# Altium PCB 控制板.PcbDoc (part 11 of 12) (continued)
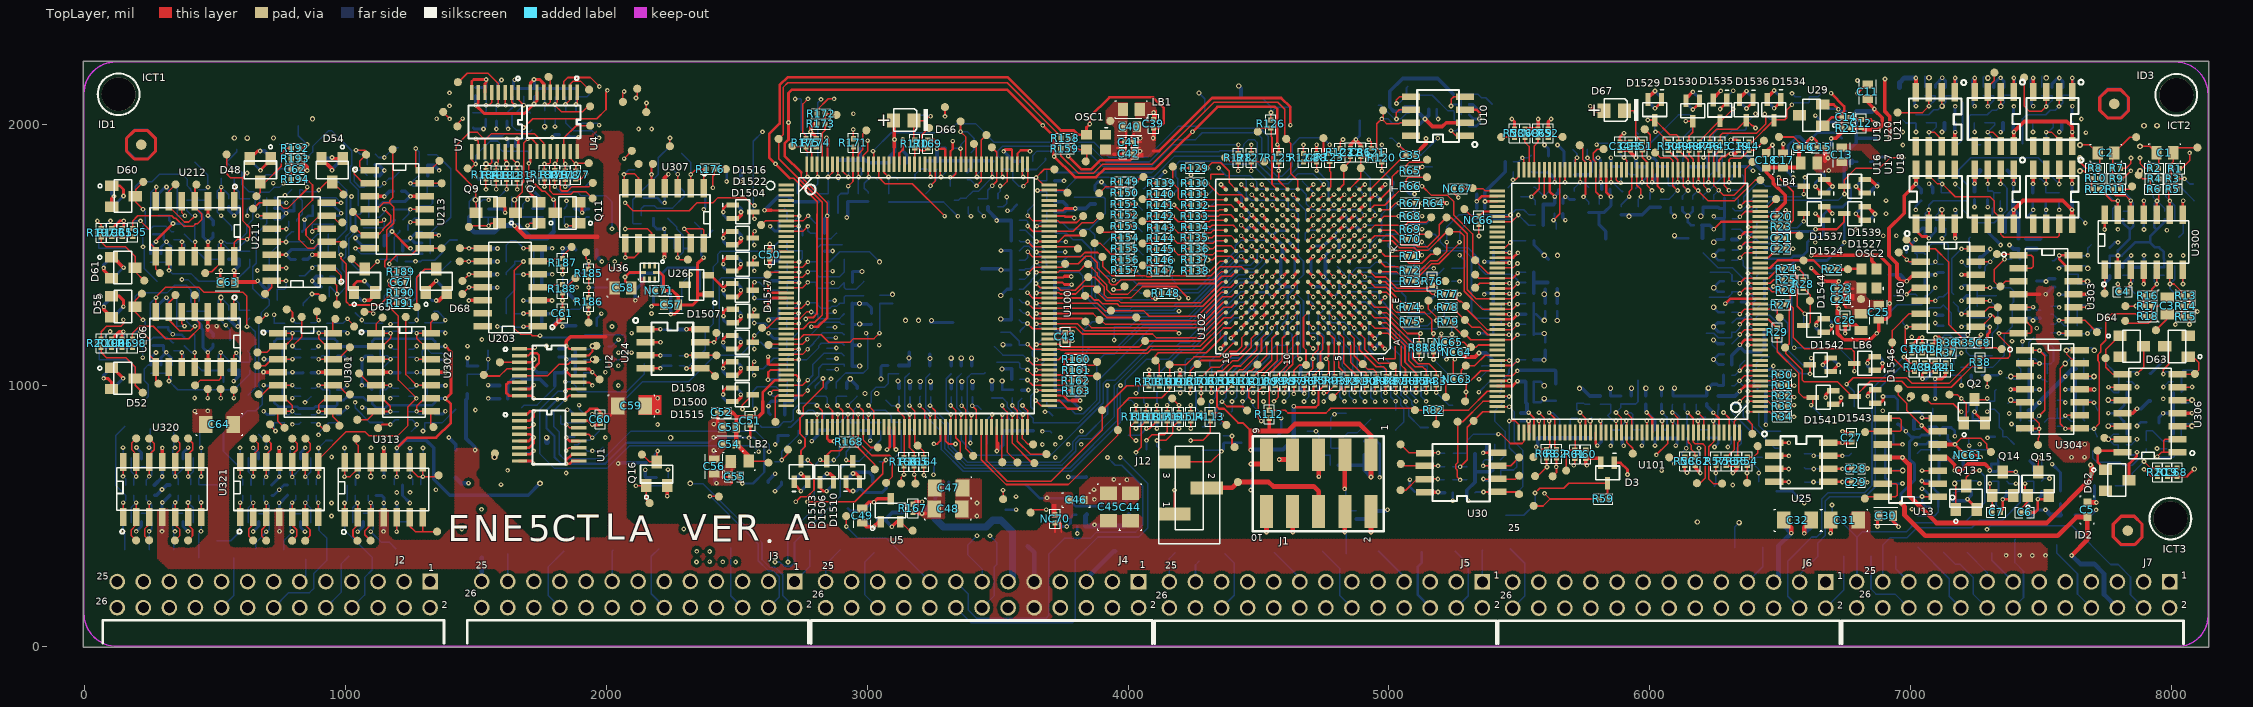
[diagram p0: TopLayer view]
## Nets (pads, with @x,y where several pads share a name; then routed paths per layer and width w, separated by ;. In a path a pad name is that pad's centre, name@x,y a point inside that pad or via, vN(x,y) a via of type N, cw(c..) or ccw(c..) an arc to the next point about the centre after c; other vN are vias at no path point) (continued)
  TopLayer w12: v1(1499.2,2074.6) 1499.5,2074.6 1531.1,2043 1686.2,2043 1734.03,2090.83 U4.7@1734.03,2124.6 ; C49.2@2981.1,528.8 3005.3,553 3025.8,553 3038.8,566 U5.3@3089.75,566 ; R167.1@3175.3,545 3184.7,554.4 v1(3210.5,554.4)
  TopLayer w16: C32.1@6514.4,483.8 6542.8,455.4 v1(6542.8,434)
  MidLayer2 w14: v1(1467.4,1150.9) 1496.9,1121.4 1496.9,1091.7 1514,1074.6 1593.2,1074.6 1666.5,1001.3 v1(1721.5,1001.3)
  MidLayer2 w18: v1(1521.1,525.5) 1528.6,518 2990.8,518 3027.2,554.4 3326.7,554.4 3419.8,461.3 3507.7,461.3 3689.9,279.1 3689.9,219.2 3709.5,199.6 6427.8,199.6 J6.5@6474.9,246.7
  MidLayer3 w14: v1(1721.1,749.6) 1745.3,773.8 1745.3,977.5 v1(1721.5,1001.3)
  MidLayer3 w18: v1(1521.1,525.5) 1521.1,623 1436.1,708 1436.1,1118 1467.8,1149.7 1467.8,1228.9 1537.8,1298.9 1537.8,1543 1648.6,1653.8 1695.3,1653.8 1725.3,1683.8 1725.3,1757.5 1757.8,1790 1757.8,1815.1 1735.7,1837.2 1735.7,1875.5 1722.4,1888.8 v1(1722.4,2079.2)
  BottomLayer w12: C408.1@1498.6,2111.3 1498.6,2075.2 v1(1499.2,2074.6) ; C378.1@1691.9,739.6 1711.1,739.6 v1(1721.1,749.6) ; v1(1722.4,2079.2) 1724,2080.8 C403.1@1724,2108 ; TP16.1@2926.1,528.4 2935.7,518.8 C331.1@2995.7,518.8 2995.7,533.8 3014.4,552.5 v1(3025.3,552.5) ; R542.2@3136.5,544.2 3200.3,544.2 v1(3210.5,554.4)
  BottomLayer w14: C379.1@1692.4,989.6 1709.8,989.6 v1(1721.5,1001.3)
  BottomLayer w18: J6.5@6474.9,246.7 6493.6,265.4 6493.6,384.8 v1(6542.8,434) 6515.3,461.5 C498.1@6515.3,485
VREB: pad.277@6971.1,2018.4 R255.1 R334.2 R338.2 R342.1 TP21.1 U306.1 U306.2 | length 2995.2
  TopLayer w6: v1(7946.1,727.5) 7946.1,727.6 7962.7,744.2 U306.1@8024,744.2 ; 7970.7,744.6 7970.7,788.8 7976.03,794.13 U306.2@8024,794.13
  MidLayer2 w6: v1(7021.1,1972.1) 7040.7,1991.7 7226.5,1991.7 7274.4,1943.8 7441.6,1943.8 v1(7469.9,1972.1) ; v1(7378.6,893) 7440.2,954.6 7500.7,954.6 7571.1,884.2 7571.1,881.7 7596.1,856.7 7639.8,856.7 7659,875.9 7883.1,875.9 7925.3,833.7 7925.3,748.3 v1(7946.1,727.5)
  MidLayer3 w6: v1(7378.6,893) 7368.6,883 7278.6,883 7270.3,891.3 7270.3,902.2 7335.3,967.2 7335.3,1030.1 7325.3,1040.1 7325.3,1057.1 7333.6,1065.4 7333.6,1163 7419.9,1249.3 7419.9,1827.9 7405.3,1842.5 7405.3,1907.5 v1(7469.9,1972.1)
  BottomLayer w6: pad.277@6971.1,2018.4 6982.8,2006.7 R342.1@7020.7,2006.7 7021.1,2006.3 v1(7021.1,1972.1) ; R338.2@7244.9,2006.8 7244.9,1973.3 v1(7246.1,1972.1) ; R334.2@7469.4,2006.8 7469.4,1972.6 v1(7469.9,1972.1) ; v1(7946.1,727.5) 7948.1,725.5 8007,725.5 8015.7,734.2 TP21.1@8050.3,734.2
VREF: C57.2 C363.2 NC2.2 NC71.1 R257.2 R297.2 R590.2 TP44.1 U26.1 U36.7 | length 7640.5
  TopLayer w10: U36.7@2189.6,1433.4 2205.4,1433.4 2219,1419.8 NC71.1@2219,1364.2
  TopLayer w12: NC71.1@2219,1364.2 2253.2,1364.2 2275.3,1342.1 2275.3,1287.8 2261.3,1273.8 v1(2246.9,1273.8) ; C57.2@2275.3,1309.2 2332.1,1309.2 2349,1326.1 2349,1466.5 v1(2373,1490.5)
  TopLayer w16: 2350.7,1349.2 U26.1@2390.1,1349.2
  MidLayer2 w14: v3(2246.5,800) 2268.5,778 2571.2,778 2599.5,806.3 2672.7,806.3 2715.2,763.8 3026.9,763.8 3060.2,797.1 3180.3,797.1 3226.1,751.3 3439.4,751.3 3463.2,727.5 3552,727.5 3659.9,619.6 3659.9,506.3 3670.7,495.5 3692.3,495.5 3750.7,437.1 3772.7,437.1 3794.8,459.2 3842.4,459.2 3855.7,445.9 3890.7,445.9 3908.6,463.8 4967.7,463.8 5001,430.5 5778.6,430.5 5988.6,640.5 6076.1,640.5 6141.9,706.3 6336.1,706.3 6432.8,803 6748.1,803 6753.1,798 7095.1,798 7126.3,829.2 7265.3,829.2 v1(7294.9,799.6) 7706.1,799.6 7726.5,820 7843.6,820 v1(7868.2,844.6)
  MidLayer3 w18: v3(2246.5,800) v1@2246.5,1273.4
  BottomLayer w10: NC2.2@2214,1430 2235.7,1451.7 2342,1451.7 2357.4,1436.3 TP44.1@2357.4,1370 ; R590.2@2364,1525 2364,1499.5 v1(2373,1490.5) ; v1(7294.9,799.6) 7299.5,804.2 R297.2@7322,804.2 ; v1(7868.2,844.6) 7882.3,858.7 R257.2@7902.8,858.7
  BottomLayer w14: NC2.2@2214,1430 2214,1378.4 2246.9,1345.5 v1(2246.9,1273.8)
VREF+: C46.2 C217.2 C218.2 C322.2 C350.1 C351.2 NC12.1 NC60.1 NC70.2 TP11.1 U11.7 U100.38 U101.38 | length 5773.7
  TopLayer w8: U100.38@2689,1040.45 2727.55,1040.45 2737.6,1030.4 v1(2737.6,1020.7) ; NC70.2@3720.3,505 3726.1,499.2 3751.5,499.2 ; v1(6245.7,1599.2) 6274.45,1627.95 U101.38@6424,1627.95
  MidLayer2 w14: v1(2741.1,785) 2785.3,829.2 3379.9,829.2 3414.1,795 3525.3,795 3689.4,630.9 v1(3689.4,569.2) 3735.7,569.2 3809.4,495.5 3879,495.5 3884.9,489.6 4991.5,489.6 5020.2,460.9 5762,460.9 5969.5,668.4 6040.7,668.4 v1(6046.1,673.8)
  MidLayer3 w14: v1(6046.1,673.8) 6046.1,815.9 6022.8,839.2 6022.8,1376.3 v1(6245.7,1599.2)
  MidLayer3 w18: v1(2737.6,1020.7) 2737.6,944 2768.8,912.8 2768.8,812.7 v1(2741.1,785)
  BottomLayer w10: TP11.1@3609,618.8 3610.9,618.8 3662.2,567.5 3770.2,567.5 3800.8,536.9 3890.1,536.9 3892.3,539.1 U11.7@3901.4,539.1
  BottomLayer w14: C350.1@2684,888.4 2684,937.9 2710.6,937.9 2737.6,964.9 v1(2737.6,1020.7) ; C217.2@6202.8,1564.6 6202.8,1612.4 C218.2@6200.6,1614.6 6230.3,1614.6 v1(6245.7,1599.2)
VREFA: C386.1 C464.2 C468.2 C471.2 C472.1 C489.2 C490.1 C491.1 C494.1 J3.10 R600.2 R614.1 R747.2 R748.1 R750.1 R762.1 R769.2 R772.2 R780.2 R781.1 TP294.1 U307.13 U307.14 | length 6869.5
  TopLayer w6: v1(1681.9,1475.9) 1646.1,1440.1 1646.1,1220.9 1670.7,1196.3 1711.1,1196.3 1716.1,1191.3 v1(1745.7,1191.3) ; U307.13@2322.87,1545.9 2322.87,1576.63 v1(2298.6,1600.9) 2368.2,1600.9 2372.8,1596.3 U307.14@2372.8,1545.9
  TopLayer w10: v1(273.2,1551.7) 273.2,1555.9 v1(338.2,1620.9) ; v1(1177.8,1590.5) 1179,1590.5 1243.6,1525.9 v1(1248.6,1525.9)
  MidLayer2 w6: v1(273.2,1126.7) 273.2,1132.5 v1(337.4,1196.7) ; v1(338.2,1620.9) 418.3,1620.9 465.4,1668 481.5,1668 519.9,1629.6 701.5,1629.6 v1(772.8,1700.9) 839.1,1634.6 904.9,1634.6 940.7,1598.8 1031.5,1598.8 1105.3,1525 1247.7,1525 1247.7,1470.2 1259.9,1458 1276.6,1458 1313.2,1494.6 1663.2,1494.6 v1(1681.9,1475.9) 1749.8,1543.8 1968.2,1543.8 1998.2,1573.8 2271.5,1573.8 v1(2298.6,1600.9)
  MidLayer3 w6: v1(1745.7,1191.3) 1736.9,1182.5 1715.6,1182.5 1683.6,1150.5 1683.6,714.7 1641.9,673 1641.9,462.9 1564.9,385.9 1564.9,134.1 1597.7,101.3 2265.3,101.3 2313.6,149.6 J3.10@2326.1,149.6
  MidLayer3 w10: v1(273.2,1551.7) 273.2,1459.7 340.7,1392.2 340.7,1200 v1(337.4,1196.7)
  BottomLayer w6: TP294.1@229,943 242.8,956.8 242.8,1004.6 227.8,1019.6 227.8,1063.8 242.7,1078.7 R772.2@252.4,1078.7 ; R614.1@1616.5,1425.5 1616.5,1433 1648.2,1464.7 1648.2,1475.9 v1(1681.9,1475.9) ; v1(1745.7,1191.3) 1752.8,1184.2 1907.4,1184.2 1918.2,1195 2062.8,1195 2073.2,1184.6 2073.2,1120.1 2052.3,1099.2 R600.2@2008.6,1099.2
  BottomLayer w10: C494.1@251.9,1504.6 251.9,1530.4 v1(273.2,1551.7) ; R772.2@252.4,1078.7 252.4,1105.9 v1(273.2,1126.7) ; R781.1@282.8,1223.4 320.4,1223.4 320.4,1213.7 339.1,1195 371.1,1195 R769.2@381.5,1184.6 ; C490.1@283.6,1650.5 323.6,1650.5 323.6,1635.5 338.6,1620.5 372.8,1620.5 C491.1@382.4,1610.9 ; R762.1@728.6,1720.5 748.2,1700.9 v1(772.8,1700.9) ; R750.1@833.2,1590 842.4,1599.2 v1(842.4,1635.9) 856.9,1650.4 R747.2@873.6,1650.4 R748.1@873.6,1689.2 ; v1(1248.6,1525.9) 1269,1505.5 C464.2@1293.2,1505.5
  BottomLayer w12: C471.2@1148.2,1535.8 C472.1@1148.2,1574.6 1161.9,1574.6 1178.6,1591.3 1178.6,1625.4 C468.2@1188.2,1635
VREFC: C156.2 C166.2 pad.287@7524.4,1838 R324.1 R330.2 TP153.1 U16.2 U17.2 U18.2 | length 1375.6
  TopLayer w6: v1(7069.9,1673.4) 7070.9,1672.4 U16.2@7070.9,1620.5 ; v1(7345.3,1773.4) 7345.5,1773.6 U17.2@7345.5,1827.1 ; U18.2@7569.6,1827.1 7569.6,1773.7 v1(7570.3,1773)
  BottomLayer w6: R330.2@7016.1,1619.6 7030.7,1634.2 C156.2@7056.1,1634.2 7056.1,1659.6 v1(7069.9,1673.4) 7069.9,1690.9 7087.4,1708.4 7214.5,1708.4 7219.4,1713.3 7219.4,1768 7185.3,1802.1 7185.3,1827.1 7231.2,1873 7489.4,1873 pad.287@7524.4,1838 7524.4,1818.9 v1(7570.3,1773) ; R324.1@7195.7,1708.4 7195.7,1678.8 7250.3,1624.2 7321.5,1624.2 7369.9,1672.6 7369.9,1757.1 7353.6,1773.4 v1(7345.3,1773.4)
VREFD: C186.2 C187.1 NC36.2 NC48.2 Q6B.3 R359.2 R633.1 TP20.1 U9.7 U27.3 | length 8340.6
  MidLayer2 w14: v1(1623.2,1984.2) 1591.5,1952.5 1591.5,1931.7 1625.2,1898 1888.6,1898 1922.8,1932.2 1922.8,1983.8 1958.6,2019.6 2614.2,2019.6 2623.8,2029.2 2883.2,2029.2 2978.2,2124.2 4133.7,2124.2 4164.9,2093 4642.3,2093 4679.4,2055.9 5208.6,2055.9 5224.5,2040 5267.3,2040 5285.3,2058 5376.5,2058 5410.2,2091.7 6484.5,2091.7 6545.3,2030.9 6631.2,2030.9 v1(6635.1,2034.8)
  MidLayer3 w10: v1(6635.1,2034.8) 6708.8,2034.8 6841.5,1902.1 6841.5,1745.9 6884.4,1703 6884.4,1640.9 6920.3,1605 6920.3,1558.3 6948.6,1530 6948.6,1381.3 6896.1,1328.8 6896.1,1151.3 7017.4,1030 7017.4,832.5 7049.4,800.5 7049.4,750.8 7016.1,717.5 7016.1,632.5 v1(7044.2,604.4)
  BottomLayer w10: R359.2@6440.6,1485.7 6540.1,1485.7 6551.1,1496.7 6585.7,1496.7 6604.4,1515.4 6604.4,1550 6623.2,1568.8 6657.8,1568.8 6666.5,1577.5 6666.5,1655 6696.1,1684.6 6740.2,1684.6 6771.1,1715.5 6771.1,1755.1 6762.05,1764.15 Q6B.3@6745.9,1764.15 ; v1(6635.1,2034.8) 6659.1,2010.8 U27.3@6682.8,2010.8 ; 6753.6,1858.4 6783.4,1858.4 ; U9.7@6796.4,1858.4 6783.4,1858.4 ; v1(7044.2,604.4) 7047.6,604.4 7074.1,577.9 NC48.2@7074.1,572.1 ; 6783.4,1858.4 6775.5,1866.3 6746.9,1866.3 6746.9,1850.3 6775.3,1850.3 6783.4,1858.4
  BottomLayer w12: R633.1@1618.6,2014.2 1618.6,1988.8 v1(1623.2,1984.2) ; U27.3@6682.8,2010.8 6722.1,2010.8 6731,2019.7 NC36.2@6791.9,2019.7
  BottomLayer w14: Q6B.3@6745.9,1764.15 6745.9,1837.3 6754.2,1845.6 6754.2,1892.9 6791.9,1930.6 NC36.2@6791.9,2019.7 ; C186.2@6791.9,1947.5 6864.4,1947.5 TP20.1@6865.7,1948.8
VREFE: C14.2 C188.2 D1527.3 NC44.1 R21.1 R360.2 R634.1 TP19.1 U3.7 U29.1 | length 8089.1
  TopLayer w8: v1(6635.5,1599.2) 6716.9,1599.2 6745.4,1627.7 D1527.3@6745.4,1659.25
  TopLayer w10: U29.1@6663.6,1996.7 6666.5,1996.7 6697.8,2028 C14.2@6737.2,2028 ; v1(6695.7,2120.7) 6745.7,2070.7 6745.7,2050.7 6737.6,2042.6 R21.1@6737.6,1987.1
  TopLayer w14: v1(6695.7,1947.5) 6713.6,1947.5 6737.6,1971.5 R21.1@6737.6,1987.1
  MidLayer3 w10: v1(6635.5,1599.2) 6635.5,1625.6 6666.5,1656.6 6666.5,1813.8 6654.9,1825.4 6654.9,1906.7 v1(6695.7,1947.5)
  MidLayer3 w14: v1(1578.2,1983.4) 1532.8,2028.8 1490.3,2028.8 1475.3,2043.8 1475.3,2112.6 1507.3,2144.6 1902.4,2144.6 1932.4,2174.6 2138.6,2174.6 2156.5,2156.7 4340.7,2156.7 4371.1,2126.3 5785.3,2126.3 5813.2,2098.4 6673.4,2098.4 v1(6695.7,2120.7) ; v1(6635.5,1599.2) 6730.2,1599.2 6759,1628 6796,1628 6819.9,1604.1 6819.9,1138.8 6864.4,1094.3 6864.4,1076.3 6947.4,993.3 6947.4,830.4 7003.4,774.4 v1(7019.6,774.4)
  BottomLayer w10: R360.2@6440.2,1565.5 6460.7,1565.5 6485.7,1590.5 6626.8,1590.5 v1(6635.5,1599.2) ; U3.7@6530.5,1888.3 6530.5,1919.4 6560.3,1949.2 TP19.1@6560.3,1953.8 ; v1(7019.6,774.4) 7058.8,774.4 7070.7,786.3 7101.9,786.3 7109.4,778.8 NC44.1@7109.4,753.8
  BottomLayer w12: v1(1578.2,1983.4) R634.1@1578.2,2014.6
  BottomLayer w14: TP19.1@6560.3,1953.8 6575.7,1953.8 6624.2,1905.3 6679.9,1905.3 6695.7,1921.1 v1(6695.7,1947.5)
Y7-Y0._0: C395.1 pad.18@1562.8,1907.5 R183.1 U7.13 | length 168.4
  TopLayer w6: R183.1@1577.4,1822.5 v1@1577.4,1848.8 ; v1(1578.2,1849.6) v1@1577.4,1848.8 ; U7.13@1585.91,1896.3 1585.91,1857.31 v1@1577.4,1848.8
  BottomLayer w6: pad.18@1562.8,1907.5 1562.8,1865 1577.8,1850 C395.1@1577.8,1823.8
pads on no net: D62.2 D63.2 D64.2 ICT1.1 ICT2.1 ICT3.1 ID1.1 ID2.1 ID3.1 ID4.1 ID5.1 ID6.1 NC59.3 NC60.3 OSC1.1 OSC2.1 U3.1 U3.2 U3.3 U3.5 U3.6 U9.1 U9.2 U9.3 U9.5 U9.6 U10.8 U11.1 U11.2 U11.3 U11.5 U11.6 U12.1 U12.2 U12.3 U12.5 U12.6 U16.5 U16.6 U17.5 U17.6 U18.5 U18.6 U19.5 U19.6 U20.5 U20.6 U21.5 U21.6 U26.3 U27.2 U27.4 U27.5 U29.3 U36.1 U36.2 U36.3 U36.5 U36.6 U100.1 U100.2 U100.3 U100.4 U100.5 U100.11 U100.12 U100.13 U100.30 U100.43 U100.44 U100.45 U100.46 U100.59 U100.60 U100.63 U100.67 U100.99 U100.122 U100.128 U100.129 U100.130 U100.141 U100.144 U100.153 U100.154 U100.156 U100.157 U100.160 U100.168 U101.2 U101.11 U101.12 U101.13 U101.30 U101.43 U101.44 U101.45 U101.46 U101.59 U101.60 U101.68 U101.78 U101.92 U101.96 U101.97 U101.98 U101.99 U101.120 U101.141 U101.142 U101.143 U101.150 U101.151 U101.156 U101.157 U101.160 U101.165 U101.170 U101.173 U102.N11 U203.13 U203.14
copper on no net: | length 2383.7
  TopLayer w6: 4316.5,1790.9 4316.5,1809.8 4366.3,1809.8 ; 4975.1,1101.9 5025.3,1101.9 5025.3,1150.7
  TopLayer w12: 160.3,1898.8 160.3,1947.5 190.3,1977.5 241.1,1977.5 270.7,1947.9 270.7,1897.1 242.4,1868.8 190.3,1868.8 160.3,1898.8 ; 7725.7,2055.5 7755.7,2025.5 7807.8,2025.5 7836.1,2053.8 7836.1,2104.6 7806.5,2134.2 7755.7,2134.2 7725.7,2104.2 7725.7,2055.5 ; 7777.4,420 7777.4,468.7 7807.4,498.7 7858.2,498.7 7887.8,469.1 7887.8,418.3 7859.5,390 7807.4,390 7777.4,420
  BottomLayer w10: 161.1,1900.4 161.1,1950.5 191.1,1980.5 239.9,1980.5 270.7,1949.7 270.7,1900 240.3,1869.6 191.9,1869.6 161.1,1900.4 ; 7724.4,2057.1 7755.2,2026.3 7803.6,2026.3 7834,2056.7 7834,2106.4 7803.2,2137.2 7754.4,2137.2 7724.4,2107.2 7724.4,2057.1 ; 7777.4,419.2 7808.2,388.4 7856.6,388.4 7887,418.8 7887,468.5 7856.2,499.3 7807.4,499.3 7777.4,469.3 7777.4,419.2

## Polygon pours and split planes (outlines as drawn)
GND on TopLayer "TopLayer-GND 5" (hatched 90Degree grid 6 track 6, remove dead copper, pour order 1014): 4019.4,649.2 3856.5,649.2 3814.4,607.1 3814.4,546.7 3899.9,546.7 4024,546.7 4048.2,570.9 4048.2,617.9 4031.5,634.6
V+ on TopLayer "TopLayer-V+ 1" (hatched 90Degree grid 6 track 6, remove dead copper, pour order 1013): 163 vertices, not listed, extent 279.9,102.1 7524.4,1975
GND on TopLayer "TopLayer-GND 4" (hatched 90Degree grid 6 track 6, remove dead copper, pour order 1012): 439.9,909.6 481.5,909.6 486.9,904.2 486.9,823 484.4,820.5 419.4,820.5 414.9,825 414.9,903.9 419.4,908.4
GND on TopLayer "TopLayer-GND 3" (hatched 90Degree grid 6 track 6, remove dead copper, pour order 1011): 2446.9,870.5 2401.9,870.5 2391.9,860.5 2391.9,703.5 2392.4,703 2431.1,703 2433.6,705.5 2433.6,735.4 2459.9,761.7 2459.9,856.6 2451.5,865
VDD on TopLayer "TopLayer-VDD 2" (hatched 90Degree grid 6 track 6, remove dead copper, pour order 1010): 2390.3,673.4 2390.3,631.2 2404.4,617.1 2475.7,617.1 2482.8,624.2 2482.8,672.5 2495.3,685 2495.3,722.9 2488.6,729.6 2471,729.6 2464.4,723 2464.4,704.1 2437.8,677.5 2394.9,677.5 2392.4,675
V- on TopLayer "TopLayer-V-" (hatched 90Degree grid 6 track 6, remove dead copper, pour order 1009): 3292.4,636.3 3239.5,636.3 3232.8,629.6 3232.8,545.9 3224,537.1 3220.7,533.8 3214,533.8 3207.8,527.6 3207.8,525.5 3207.8,500 3219,488.8 3294.9,488.8 3297.4,491.3 3297.4,632.1 3294.9,634.6
GND on TopLayer "TopLayer-GND 2" (hatched 90Degree grid 6 track 6, remove dead copper, pour order 1008): 3339,594.6 3339,492.5 3341.9,489.6 3390.7,489.6 3392.8,491.7 3434.4,491.7 3436.9,494.2 3436.9,637.6 3432.4,642.1 3345.7,642.1 3338.6,635
VREF+ on TopLayer "TopLayer-VREF+" (hatched 90Degree grid 6 track 6, remove dead copper, pour order 1007): 3676.9,579.2 3688.6,590.9 3727.4,590.9 3781.9,590.9 3787.8,585 3787.8,495.9 3782.4,490.5 3717.4,490.5 3709.9,498 3709.9,546.2 3701.9,554.2 3681.1,554.2 3676.9,558.4
GND on TopLayer "TopLayer-GND 1" (hatched 90Degree grid 6 track 6, remove dead copper, pour order 1006): 4014.9,1960.9 4011.5,1957.5 4011.5,1902.1 4011.5,1878 4012.8,1876.7 4085.7,1876.7 4104,1895 4104,1990.9 4100.3,1994.6 4062,1994.6 4045.7,2010.9 4021.1,2010.9 4016.1,2005.9 4016.1,1963.3 4012.8,1960
NetLB1_1 on TopLayer "TopLayer-NetLB1_1" (hatched 90Degree grid 6 track 6, remove dead copper, pour order 1005): 3940.7,1920.5 3896.6,1920.5 3896.1,1920 3896.1,1882.1 3896.9,1881.3 3993.1,1881.3 3994.4,1880 3994.4,1961.6 3997.4,1964.6 3997.4,2083.7 3996.1,2085 3946.1,2085 3916.1,2055 3916.1,2005.4 3921.9,1999.6 3938.7,1999.6 3949.9,1988.4 3949.9,1924.2 3945.7,1920
VDD on TopLayer "TopLayer-VDD 1" (hatched 90Degree grid 6 track 6, remove dead copper, pour order 1004): 4029.9,2084.6 4086.1,2084.6 4108.6,2062.1 4108.6,2013.4 4105.7,2010.5 4074.4,2010.5 4057.8,2027.1 4056.9,2028 4029.4,2028
NetLB6_2 on TopLayer "TopLayer-NetLB6_2" (hatched 90Degree grid 6 track 6, remove dead copper, pour order 1003): 6741.5,1386.3 6741.5,1308 6753.2,1296.3 6767.8,1296.3 6778.2,1285.9 6778.2,1269.7 6787.4,1260.5 6825.7,1260.5 6843.2,1278 6856.1,1290.9 6890.7,1290.9 6897.4,1297.6 6897.4,1324.6 6895.7,1326.3 6855.3,1326.3 6845.3,1326.3 6828.6,1343 6828.6,1385 6826.5,1387.1 6799.8,1387.1 6786.9,1400 6750.2,1400 6745.7,1395.5
VDD on TopLayer "TopLayer-VDD" (hatched 90Degree grid 6 track 6, remove dead copper, pour order 1002): 6695.5,1886.9 6638.8,1886.9 6630.1,1878.2 6630.1,1828.4 6639.9,1818.6 6746.9,1818.6 6759.6,1831.3 6759.6,1869.3 6755.9,1873 6709,1873 6696.3,1885.7
GND on TopLayer "TopLayer-GND" (hatched 90Degree grid 6 track 6, remove dead copper, pour order 1001): 6718.6,1925.7 6843.1,1925.7 6881.7,1887.1 6881.7,1869.1 6879.9,1867.3 6847.2,1867.3 6812.4,1902.1 6758.6,1902.1 6755.7,1899.2 6718.4,1899.2 6718,1899.6
V+ on TopLayer "TopLayer-V+" (hatched 90Degree grid 6 track 6, remove dead copper, pour order 1000): 7530.7,882.5 7530.7,765 7570.7,725 7589.4,706.3 7668.2,706.3 7685.7,723.8 7685.7,753.8 7685.7,777.5 7678.2,785 7587.4,785 7554,818.4 7554,1066.2 7569.9,1082.1 7569.9,1168.3 7549.4,1188.8 7549.4,1375.9 7545.7,1379.6 7489.9,1379.6 7482.8,1372.5 7482.8,1169.6 7521.1,1131.3 7533.2,1119.2 7533.2,1109.2
GND on MidLayer1 "MidLayer1-GND" (hatched 90Degree grid 4 track 4, remove dead copper, pour order 1015): 310.3,2224.6 114.4,2224.6 ccw(c114.4,2133.8) 23.6,2133.8 23.6,1883 41.9,1883 41.9,1563 26.1,1563 21.1,1563 21.1,1423 21.1,686.3 40.3,686.3 40.3,366.3 21.1,366.3 21.1,107.9 ccw(c104.4,107.9) 104.4,24.6 646.1,24.6 8026.9,24.6 ccw(c8026.9,117.1) 8119.4,117.1 8119.4,362.1 8101.1,362.1 8101.1,680.9 8121.1,680.9 8121.1,1557.1 8107.8,1557.1 8107.8,1851.3 8120.3,1851.3 8120.3,2119.6 ccw(c8020.3,2119.6) 8020.3,2219.6 7616.1,2219.6 7616.1,2199.6 7446.9,2199.6 7409.4,2199.6 7409.4,2218 5982.8,2218 5982.8,2200.5 5662.8,2200.5 5662.8,2218 4235.3,2218 4235.3,2199.6 3914.4,2199.6 3914.4,2220.5 2485.3,2220.5 2485.3,2205.5 2485.3,2201.3 2287.8,2201.3 2166.9,2201.3 2166.9,2221.3 731.9,2221.3 731.9,2200.5 416.9,2200.5 416.9,2223.8
V+ on MidLayer2 "MidLayer2-V+" (hatched 90Degree grid 6 track 6, remove dead copper, pour order 1017): 7497.8,524.6 7361.1,387.9 7361.1,339.6 7370.2,330.5 7531.1,330.5 7549.4,348.8 7549.4,358.8 7643.6,453 7643.6,573 7643.6,687.1 7675.3,718.8 7680.3,723.8 7680.3,731.3 7680.3,737.9 7676.1,742.1 7602.8,742.1 7587.8,727.1 7587.8,638 7549.4,599.6
V- on MidLayer2 "MidLayer2-V-" (hatched 90Degree grid 6 track 6, remove dead copper, pour order 1016): 7665.3,687.1 7665.3,299.6 7632.8,267.1 7632.8,101.3 7445.3,101.3 3609.4,101.3 3569.4,141.3 3569.4,267.2 3516.1,320.5 3443.6,393 3337.8,393 3213.6,393 3116.1,490.5 2143.7,490.5 2082.8,429.6 1864.5,429.6 1828.6,465.5 1445.3,465.5 1441.1,461.3 1441.1,340.5 1466.1,315.5 2271.2,315.5 2320.3,364.6 2325.3,369.6 2549.4,369.6 2893.6,369.6 2954,309.2 2969.4,293.8 2969.4,271.3 2969.4,118.9 2992.8,95.5 2997,91.3 3211.1,91.3 3574.4,91.3 3586.9,78.8 3593.6,72.1 3686.9,72.1 7823.5,72.1 7854.4,103 7854.4,613.8 7763.6,704.6 7684.4,704.6 7676.9,697.1
V+ on MidLayer3 "MidLayer3-V+" (hatched 90Degree grid 6 track 6, remove dead copper, pour order 1019): 504,1269.6 472.7,1269.6 464,1260.9 464,1215.9 483.2,1196.7 517.4,1196.7 524.9,1204.2 524.9,1250 510.7,1264.2
V- on MidLayer3 "MidLayer3-V-" (hatched 90Degree grid 6 track 6, remove dead copper, pour order 1018): 7719.4,753 7719.4,747.9 7637.8,666.3 7637.8,622.1 7642.8,617.1 7701.9,617.1 7797.8,713 7797.8,1017.9 7783.6,1032.1 7695.2,1032.1 7679.4,1016.3 7679.4,893.8 7698.6,874.6 7716.1,857.1 7716.1,808
GND on MidLayer4 "MidLayer4-GND 2" (hatched 90Degree grid 6 track 6, remove dead copper, pour order 1023): 413.2,2205.5 279,2205.5 249,2175.5 249,2015.9 301.1,1963.8 2490.3,1963.8 2584,2057.5 2584,2150.5 2530.7,2203.8 2481.5,2203.8 2481.5,2198 2160.3,2198 2160.3,2205 734.4,2205 734.4,2196.3 411.9,2196.3 411.9,2203
GND on MidLayer4 "MidLayer4-GND 1" (hatched 90Degree grid 6 track 6, remove dead copper, pour order 1022): 1261.9,918.8 67.4,918.8 45.7,897.1 45.7,126.3 ccw(c145.7,126.3) 145.7,26.3 150.3,26.3 3729.4,26.3 3771.9,68.8 3771.9,259.6 3711.9,319.6 3685.3,346.2 3685.3,396.3 3685.3,539.6 3635.3,589.6 2352.8,589.6 2023.6,918.8
GND on MidLayer4 "MidLayer4-GND" (hatched 90Degree grid 6 track 6, remove dead copper, pour order 1021): 4361.5,1010.5 4052,1010.5 3986.5,945 3986.5,52.2 4000.7,38 7990.3,38 8095.3,143 8095.3,2083.8 8049.4,2083.8 7937.03,2083.8 7937.03,2122.71 7918.89,2122.71 7895.3,2146.3 7715.2,2146.3 ccw(c7715.2,2135.5) 7704.4,2135.5 7704.4,1917.1 7666.9,1879.6 7654.4,1867.1 7536.1,1867.1 7428.6,1867.1 7367.8,1806.3 7367.8,941.4 7209.4,783 7064.4,638 6761.1,638 5591.1,638 5401.1,448 5365.6,412.5 5288.6,412.5 4923.3,412.5 4850.3,485.5 4850.3,947.9 4811.9,986.3 4799.4,986.3 4776.1,1009.6
VDD on MidLayer4 "MidLayer4-VDD" (hatched 90Degree grid 4 track 4, remove dead copper, pour order 1020): 296.1,1836.3 25.3,1836.3 25.3,1221.3 25.3,961.2 34.4,952.1 2064.5,952.1 2270.3,746.3 2403.6,613 3041.9,613 3688.6,613 3727.8,573.8 3727.8,335.4 3791.9,271.3 3791.9,131.4 3815.3,108 3909.5,108 3915.3,113.8 3915.3,165.5 3933.6,183.8 3933.6,486.3 3933.6,917.1 4017.8,1001.3 4041.1,1024.6 4096.9,1024.6 4791.2,1024.6 4812.8,1003 4836.9,1003 4879.4,960.5 4891.9,948 4891.9,848 4891.9,466.7 4911.9,446.7 4930.6,428 4968.6,428 5359.5,428 5546.1,614.6 5594.5,663 5625.3,663 7052,663 7136.1,747.1 7342.8,953.8 7342.8,1335.5 7342.8,1818.9 7381.9,1858 7401,1877.1 7487.8,1877.1 7631,1877.1 7681.9,1928 7681.9,2140.9 7645.7,2177.1 7635.3,2187.5 7491.9,2187.5 6986.6,2187.5 6962.8,2211.3 4232.8,2211.3 4232.8,2195.5 3911.1,2195.5 3911.1,2212.1 2660.2,2212.1 2633.6,2185.5 2633.6,2052.2 2516.9,1935.5 396.1,1935.5 353.6,1893
GND on BottomLayer "BottomLayer-GND 8" (hatched 90Degree grid 6 track 6, remove dead copper, pour order 1039): 2199.4,1333 2168.6,1333 2138.6,1303 2127.7,1292.1 2089.4,1292.1 2082.4,1285.1 2082.4,1260 2082.4,1236.7 2085.3,1233.8 2152.4,1233.8 2175.3,1210.9 2180.3,1205.9 2210.7,1205.9 2209,1207.6 2209,1319.6
VDD on BottomLayer "BottomLayer-VDD 3" (hatched 90Degree grid 6 track 6, remove dead copper, pour order 1038): 3178.2,1162.1 3249.9,1162.1 3254,1158 3254,1106.6 3249.9,1102.5 3139.1,1102.5 3133.6,1108 3133.6,1155 3140.7,1162.1
GND on BottomLayer "BottomLayer-GND 7" (hatched 90Degree grid 6 track 6, remove dead copper, pour order 1037): 3252.4,1261.7 3134.4,1261.7 3131.1,1258.4 3131.1,1193 3136.1,1188 3262.9,1188 3264.9,1190 3264.9,1257.9 3261.5,1261.3
GND on BottomLayer "BottomLayer-GND 6" (hatched 90Degree grid 6 track 6, remove dead copper, pour order 1036): 3369.4,561.3 3425.7,561.3 3429.9,557.1 3429.9,490.1 3426.5,486.7 3343.6,486.7 3339.4,490.9 3339.4,556.2 3344.9,561.7
V+ on BottomLayer "BottomLayer-V+ 1" (hatched 90Degree grid 6 track 6, remove dead copper, pour order 1035): 3945.7,519 3974.5,519 3975.5,520 4024.5,520 4027.4,517.1 4027.4,486.2 4026.5,485.3 3945.5,485.3 3944.9,485.9 3944.9,512 3945.4,512.5
GND on BottomLayer "BottomLayer-GND 5" (hatched 90Degree grid 6 track 6, remove dead copper, pour order 1034): 3971.9,583.8 3971.9,564.6 3984.4,552.1 4024.8,552.1 4029.4,556.7 4029.4,622.2 4003.2,648.4 3944.1,648.4 3940.7,645 3940.7,618 3958.2,600.5
VDD on BottomLayer "BottomLayer-VDD 2" (hatched 90Degree grid 6 track 6, remove dead copper, pour order 1033): 6408.6,1846.7 6510.3,1846.7 6511.1,1845.9 6511.1,1826.7 6500.3,1815.9 6486.5,1802.1 6414.4,1802.1 6412.8,1803.7 6412.8,1837.5
VDD on BottomLayer "BottomLayer-VDD 1" (hatched 90Degree grid 6 track 6, remove dead copper, pour order 1032): 6838.6,1841.3 6932.3,1841.3 6936.5,1837.1 6936.5,1744.7 6937.4,1743.8 6904.5,1743.8 6897.8,1737.1 6870.7,1737.1 6861.1,1746.7 6861.1,1814.3 6859.9,1815.5 6839.5,1815.5 6839,1815
GND on BottomLayer "BottomLayer-GND 4" (hatched 90Degree grid 6 track 6, remove dead copper, pour order 1031): 6962.8,1725.5 6910.3,1725.5 6905.3,1720.5 6904,1719.2 6904,1664.6 6904,1651.3 6908.6,1646.7 6983.1,1646.7 6986.9,1650.5 6986.9,1723.5 6984.9,1725.5
GND on BottomLayer "BottomLayer-GND 3" (hatched 90Degree grid 6 track 6, remove dead copper, pour order 1030): 7000.3,1980 6968.5,1980 6964.4,1975.9 6964.4,1900.9 6969,1896.3 7050.2,1896.3 7051.9,1898 7051.9,1976.8 7049.9,1978.8
GND on BottomLayer "BottomLayer-GND 2" (hatched 90Degree grid 6 track 6, remove dead copper, pour order 1029): 6807.8,2180.9 6871.9,2180.9 6876.9,2175.9 6876.9,2115 6872.8,2110.9 6793.2,2110.9 6788.2,2115.9 6788.2,2176.8 6791.9,2180.5
GND on BottomLayer "BottomLayer-GND 1" (hatched 90Degree grid 6 track 6, remove dead copper, pour order 1028): 6882.8,1570.9 6882.8,1511.7 6887.4,1507.1 6947.4,1507.1 6952.4,1512.1 6952.4,1583.4 6949.9,1585.9 6888.2,1585.9 6884,1581.7
V1 on BottomLayer "BottomLayer-V1" (hatched 90Degree grid 6 track 6, remove dead copper, pour order 1027): 7441.5,1611.3 7512.4,1611.3 7530.7,1593 7530.7,1494.6 7561.9,1463.4 7562.3,1463.8 7570.3,1463.8 7578.2,1455.9 7578.2,1441.7 7572.4,1435.9 7551.1,1435.9 7480.6,1435.9 7471.5,1445 7471.5,1471.7 7486.9,1487.1 7489,1489.2 7489,1505.9 7476.5,1518.4 7465.3,1518.4 7472.4,1518.4 7472.4,1567.5 7472.4,1598.8 7440.3,1598.8
V+ on BottomLayer "BottomLayer-V+" (hatched 90Degree grid 6 track 6, remove dead copper, pour order 1026): 7366.1,731.3 7408.2,731.3 7453.6,776.7 7473.6,796.7 7526.1,796.7 7662,796.7 7672.8,785.9 7672.8,718 7668.2,713.4 7668.2,596.8 7661.9,590.5 7598.2,590.5 7595.7,593 7595.7,607.9 7607.8,620 7607.8,708.4 7582.8,733.4 7564.5,751.7 7526.5,751.7 7495.7,751.7 7482.8,738.8 7478.2,734.2 7478.2,706.3 7470.7,698.8 7389.9,698.8 7340.3,698.8 7335.7,694.2 7331.5,690 7331.5,668.4 7301.5,668.4 7296.5,673.4 7296.5,700.4 7327.8,731.7
GND on BottomLayer "BottomLayer-GND" (hatched 90Degree grid 6 track 6, remove dead copper, pour order 1025): 5606.3,1503 5652.1,1503 5657.1,1498 5657.1,1429.7 5654.9,1427.5 5590.1,1427.5 5583.8,1433.8 5583.8,1497.8 5589.4,1503.4
VDD on BottomLayer "BottomLayer-VDD" (hatched 90Degree grid 6 track 6, remove dead copper, pour order 1024): 5595.3,1407.5 5659.5,1407.5 5663.2,1403.8 5663.2,1353.2 5658.2,1348.2 5589.8,1348.2 5589.6,1348.4 5589.6,1403.3 5591.3,1405
no net on BottomOverlay (hatched 90Degree grid 4 track 4, remove dead copper): 3720.2,2047.8 3702.4,2009.3 3731.7,2009.2
no net on BottomOverlay (hatched 90Degree grid 2 track 2, remove dead copper): 3544.7,2119.7 3557.9,2119.6 3546.2,2084.8 3556.8,2084.4 3569.2,2118.6 3610.2,2118.5 3610.3,2107.9 3601.4,2087.5 3591.9,2087.5 3595.4,2069.5 3580,2069.4 3578.6,2084.2 3571.6,2084.3 3565.1,2068.9 3529.9,2069 3526.4,2073.1 3544,2119.7